# Altium PCB 28Pins_Project_V1[1_PCB..PcbDoc (part 1 of 2)
Units mm, origin at the board's own origin, x right, y up, seen from the top; angles counter-clockwise.
Board outline 71.12 x 53.34 mm, 2 copper layers (L1, L2), stack 1.671 mm thick; 106 components, 71 nets, 323 pads, 106 vias.
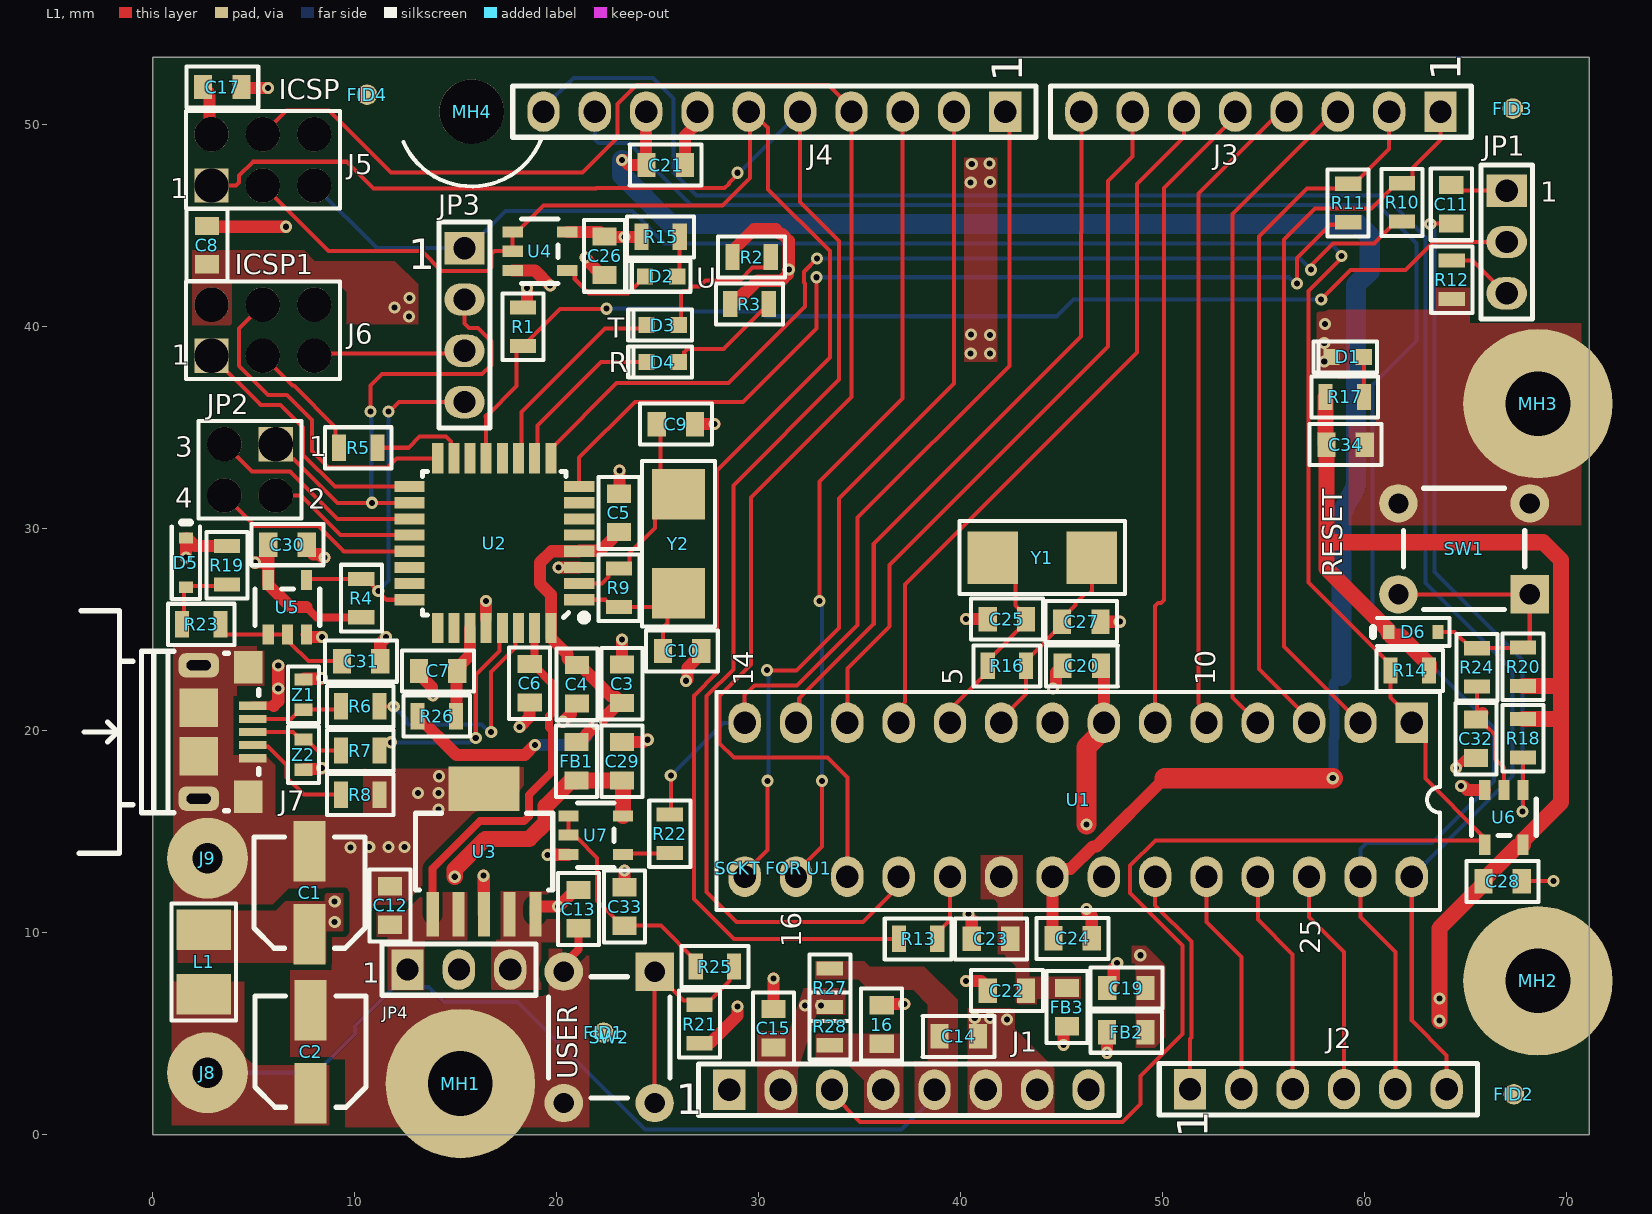
[diagram p0: L1 view]
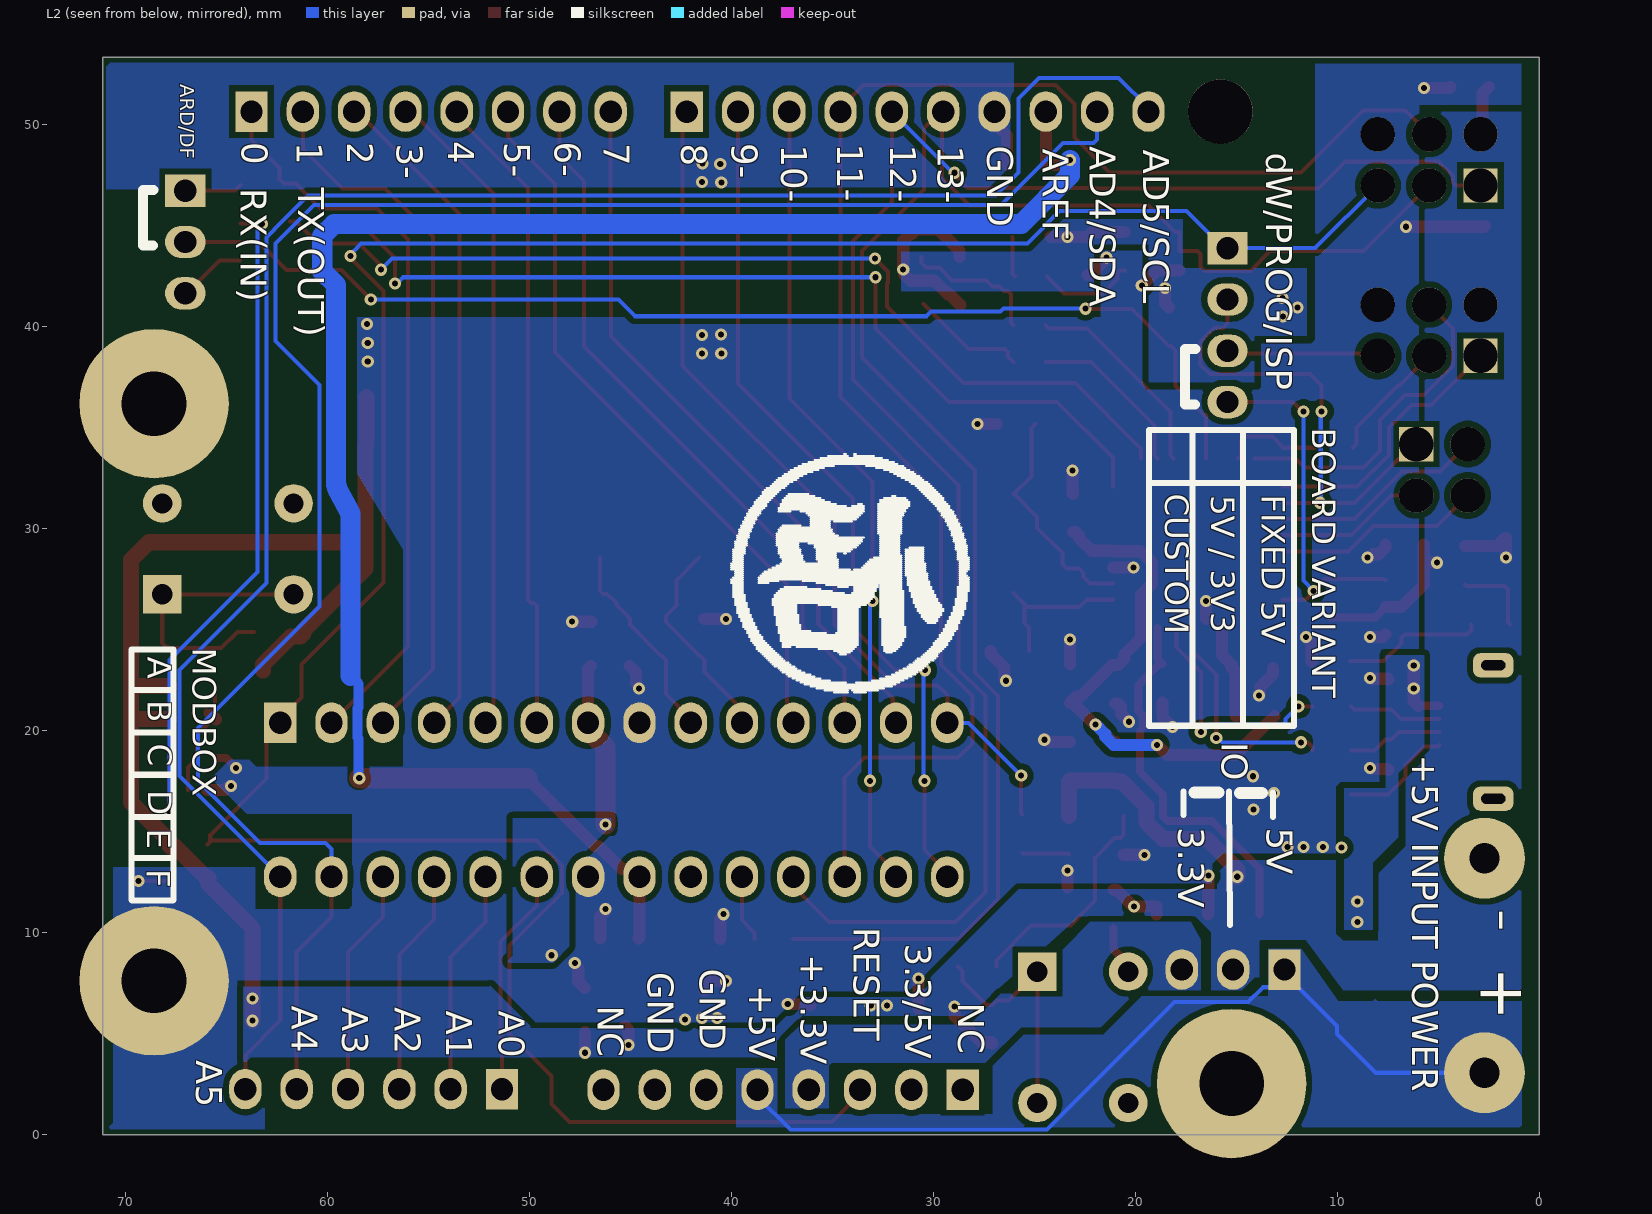
[diagram p1: L2 view, seen from below]

## Layer stack, top to bottom
Top Solder: solder mask 0.0102, Solder Resist, Dk 3.5
L1: signal copper 0.0356
Dielectric 1: dielectric 1.6, FR-4, Dk 4.8
L2: signal copper 0.0356
Bottom Solder: solder mask 0.0102, Solder Resist, Dk 3.5

## Board outline
0,0 71.12,0 71.12,53.34 0,53.34

## Design rules (kind name [scope] priority, off if disabled: settings)
Clearance "Around Polygons" [IsRegion] p1: gap=0.3 ignorepadtopadclearanceinfootprint=FALSE
Clearance [All] p2: gap=0.2 ignorepadtopadclearanceinfootprint=FALSE
ComponentClearance "SW2 and F1D1" [InComponent('SW2') vs InComponent('FID1')] p1: gap=0 collisioncheckmode=3 verticalgap=0 showdistances=FALSE
ComponentClearance "Power Resistors" [InComponent('R27') vs InComponent('R28')] p2: gap=0 collisioncheckmode=3 verticalgap=0 showdistances=FALSE
ComponentClearance "MH4 to FID4 and J4" [InComponent('MH4') vs InComponent('FID4') or InComponent('J4')] p3: gap=0 collisioncheckmode=3 verticalgap=0 showdistances=FALSE
ComponentClearance "DIP SOCKET to MH2 and U1" [InComponent('SCKT FOR U1') vs InComponent('MH2') or InComponent('U1')] p4: gap=0 collisioncheckmode=3 verticalgap=0 showdistances=FALSE
ComponentClearance "MH2 to J2" [InComponent('MH2') vs InComponent('J2')] p5: gap=0 collisioncheckmode=3 verticalgap=0 showdistances=FALSE
ComponentClearance [All] p6: gap=0.2 collisioncheckmode=3 verticalgap=0.2 showdistances=FALSE
HoleSize [All] p1: absolutevalues=TRUE maxlimit=10 minlimit=0.2 maxpercent=80.000 minpercent=20.000
HoleToHoleClearance [All] p1: gap=0.3 allowstackedmicrovias=TRUE
MinimumSolderMaskSliver [All] p1: minsoldermaskwidth=0.1
PolygonConnect [All] p1: connectstyle=Direct reliefconductorwidth=0.254 reliefentries=4 polygonreliefangle="90 Angle" airgapwidth=0.254
RoutingVias [All] p1: holewidth=0.3 width=0.6 viastyle="Through Hole" minholewidth=0.3 minwidth=0.6 maxholewidth=0.3 maxwidth=0.6
SilkToSilkClearance [All] p1: silktosilkclearance=0.1
SilkToSolderMaskClearance [IsPad] p1: minsilkscreentomaskgap=0.1 clearancetoexposedcopper=TRUE
SolderMaskExpansion [All] p1: expansion=0.1 istentingtop=FALSE
Width [All] p1: maxlimit=1 minlimit=0.2 preferedwidth=0.254
Width +5V/3V8_16U2 [InNet('+5V/3V3_16U2')] p2: maxlimit=0.6 minlimit=0.3 preferedwidth=0.6 checkconnectedcopper=TRUE
Width "Width POWERS" [InNet('+5V_USB') or InNet('GND')] p3: maxlimit=4 minlimit=0.4 preferedwidth=0.4
24 further rules are at their usual default settings.

## Components (designator, comment, footprint, x,y, rotation, side; value= is the part's Value field where it differs from the comment)
16 "100n" C0805 36.093,5.461 r90 top
C1 "100u / 10V" C_ALU_C_SIZE 7.772,11.989 r90 top
C2 "100u / 10V" C_ALU_C_SIZE 7.823,4.115 r90 top
C3 "10uF / 16V" C0805 23.241,22.327 r90 top
C4 "100n" C0805 21.006,22.301 r270 top
C5 "100n" C0805 23.089,30.785 r90 top
C6 "100n" C0805 18.669,22.352 r270 top
C7 "1uF / 25V" C0805 14.133,22.962 r0 top
C8 "100n" C0805 2.692,44.044 r90 top
C9 "18p" C0805 25.908,35.179 r180 top
C10 "18p" C0805 26.213,23.952 r180 top
C11 "100n" C0805 64.287,46.06 r270 top
C12 "10uF / 16V" C0805 11.76,11.354 r90 top
C13 "10uF / 16V" C0805 21.082,11.176 r270 top
C14 "100n" C0805 39.903,4.877 r0 top
C15 "100n" C0805 30.734,5.273 r90 top
C17 "100n" C0805 3.454,51.867 r0 top
C19 "10uF / 16V" C0805 48.209,7.264 r180 top
C20 "100n" C0805 45.999,23.216 r180 top
C21 "10uF / 16V" C0805 25.4,48.006 r0 top
C22 "10uF / 16V" C0805 42.291,7.137 r180 top
C23 "100n" C0805 41.504,9.703 r180 top
C24 "100n" C0805 45.542,9.728 r0 top
C25 "18p" C0805 42.291,25.527 r0 top
C26 "100n" C0805 22.377,43.51 r270 top
C27 "18p" C0805 45.974,25.4 r180 top
C28 "100n" C0805 66.827,12.548 r0 top
C29 "100n" C0805 23.241,18.491 r90 top
C30 "100n" C0805 6.68,29.21 r0 top
C31 "100n" C0805 10.323,23.444 r0 top
C32 "100n" C0805 65.507,19.609 r270 top
C33 "100n" C0805 23.368,11.303 r90 top
C34 "10uF / 16V" C0805 59.055,34.163 r0 top
D1 "Green" LED_0603 59.157,38.506 r0 top
D2 "Orange" LED_0603 25.171,42.494 r0 top
D3 "Orange" LED_0603 25.248,40.081 r0 top
D4 "Orange" LED_0603 25.248,38.252 r0 top
D5 "BAT54HT1G" SOD323 1.651,28.321 r270 top
D6 "BAT54HT1G" SOD323 62.408,24.892 r0 top
FB1 "MPZ2012S601AT000" C0805 20.98,18.491 r90 top
FB2 "MPZ2012S601AT000" C0805 48.199,5.08 r0 top
FB3 "MPZ2012S601AT000" C0805 45.263,6.325 r90 top
FID1 "FID_1MMC" FID_40X120D 22.327,5.055 r0 top
FID2 "FID_1MMC" FID_40X120D 67.386,2.007 r90 top
FID3 "FID_1MMC" FID_40X120D 67.335,50.8 r90 top
FID4 "FID_1MMC" FID_40X120D 10.617,51.486 r90 top
J1 "HDR FMALE 1x8 2.54mm" HDR_FMALE_1X8_2.54MM 28.55,2.235 r90 top
J2 "HDR FMALE 1x6 2.54 mm" HDR_FMALE_1X6_2.54MM 51.359,2.261 r90 top locked
J3 "HDR FMALE 1x8 2.54mm" HDR_FMALE_1X8_2.54MM 63.754,50.648 r270 top
J4 "HDR FMALE 1x10 2.54mm" HDR_FMALE_1X10_2.54_MM 42.215,50.648 r270 top locked
J5 "HDR 2x3" HDR_2X3_2.54MM 5.461,48.26 r90 top locked
J6 "HDR 2x3" HDR_2X3_2.54MM 5.461,39.827 r90 top
J7 "10118193-0001LF" 10118193 3.624,19.941 r270 top
J8 "4MMx1.5MM" PAD_WITH_HOLE_4MMX1.5MM 2.718,3.073 r0 top
J9 "4MMx1.5MM" PAD_WITH_HOLE_4MMX1.5MM 2.718,13.691 r0 top
JP1 "HDR 1x3" HDR_1X3_2.54MM 67.031,46.736 r0 top
JP2 "HDR 2x2" HDR_2X2_2.54MM 6.096,34.188 r270 top
JP3 "HDR 1x4" HDR_1X4_2.54MM 15.443,43.891 r0 top
JP4 "HDR 1x3" HDR_1X3_2.54MM 12.624,8.179 r90 top locked
L1 "2u2 / 2A" C1210_1ND 2.54,8.56 r270 top
MH1 "MH_7.4MMC_3.2MMD" MH_7.4MMC_3.2MMD 15.24,2.54 r0 top
MH2 "MH_7.4MMC_3.2MMD" MH_7.4MMC_3.2MMD 68.58,7.62 r0 top
MH3 "MH_7.4MMC_3.2MMD" MH_7.4MMC_3.2MMD 68.58,36.195 r0 top
MH4 "MH_7.4MMNC_3.2MMD" MH_7.4MMD_3.2MMD_NON_COPPER_NPTH 15.799,50.648 r0 top
R1 "100K" R0805 18.339,40.005 r90 top
R2 "560R" R0805 29.65,43.45 r0 top
R3 "560R" R0805 29.55,41.125 r0 top
R4 "10k" R0805 10.338,26.568 r270 top
R5 "22R" R0805 10.185,34.011 r180 top
R6 "22R" R0805 10.287,21.209 r0 top
R7 "22R" R0805 10.287,19.025 r0 top
R8 "0R" R0805 10.287,16.84 r0 top
R9 "1M" R0805 23.089,27.076 r90 top
R10 "1k" R0805 61.849,46.152 r90 top
R11 "1k" R0805 59.182,46.126 r90 top
R12 "1k" R0805 64.313,42.332 r90 top
R13 "22R" R0805 37.897,9.703 r180 top
R14 "10k" R0805 62.23,22.987 r0 top
R15 "560R" R0805 25.146,44.45 r180 top
R16 "1M" R0805 42.291,23.216 r180 top
R17 "560R" R0805 59.019,36.525 r180 top
R18 "10k" R0805 67.843,19.634 r90 top
R19 "10k" R0805 3.683,28.194 r90 top
R20 "10k" R0805 67.843,23.165 r270 top
R21 "10k" R0805 27.076,5.486 r270 top locked
R22 "560R" R0805 25.603,14.91 r90 top
R23 "22R" R0805 2.413,25.273 r0 top
R24 "22R" R0805 65.557,23.139 r270 top
R25 "22R" R0805 27.838,8.331 r180 top
R26 "0R" R0805 14.072,20.726 r180 top
R27 "0R" R0805 33.528,7.28 r270 top
R28 "0R" R0805 33.528,5.385 r270 top
"SCKT FOR U1" "28-DIP Socket" 28_DIP_7.62MM_SOCKET 30.734,13.208 r90 top
SW1 "1825910-6" 1825910-6 64.922,29.007 r270 top
SW2 "1825910-6" 1825910-6 22.606,4.826 r0 top
U1 "ATMEGA328P-PU" 28_DIP_7.62MM 62.332,20.396 r270 top locked
U2 "ATMEGA16U2-AU" TQFP32 16.916,29.286 r180 top locked
U3 "TL1963A-33DCQR" "DCQ (R-PDSO-G6)" 16.408,14.021 r90 top
U4 "SN74AHC1G09DBVR" DBV_SDT_23_5 19.177,43.739 r0 top
U5 "SN74AHC1G09DBVR" DBV_SDT_23_5 6.68,26.111 r90 top
U6 "SN74AHC1G09DBVR" DBV_SDT_23_5 66.893,15.712 r270 top
U7 "SN74AHC1G09DBVR" DBV_SDT_23_5 21.946,14.834 r0 top
Y1 "ABM7-16.000MHZ-D2Y-T" ABM7_V1_1_BIG 44.044,28.575 r180 top
Y2 "ABM7-16.000MHZ-D2Y-T" ABM7_V1_1_BIG 26.035,29.261 r90 top
Z1 "CG0603MLC-05E" R0603 7.468,21.793 r270 top
Z2 "CG0603MLC-05E" R0603 7.468,18.821 r90 top

## Footprints (in the part's own frame and the unit in brackets; to place one, negate y for a bottom-side part, rotate by r counter-clockwise, add the part's x,y. Pads: shape width x height; smd on the part's side, far side on the other; paste and mask are expansions set on the pad)
28_DIP_7.62MM [mm]
  rect 2x1.6 hole 1.1: 1(0,0)
  oval 2x1.6 hole 1.1: 2(0,-2.54) 3(0,-5.08) 4(0,-7.62) 5(0,-10.16) 6(0,-12.7) 7(0,-15.24) 8(0,-17.78) 9(0,-20.32) 10(0,-22.86) 11(0,-25.4) 12(0,-27.94) 13(0,-30.48) 14(0,-33.02) 15(7.62,-33.02) 16(7.62,-30.48) 17(7.62,-27.94) 18(7.62,-25.4) 19(7.62,-22.86) 20(7.62,-20.32) 21(7.62,-17.78) 22(7.62,-15.24) 23(7.62,-12.7) 24(7.62,-10.16) 25(7.62,-7.62) 26(7.62,-5.08) 27(7.62,-2.54) 28(7.62,0)
  silkscreen extent -1.52,-34.42 9.27,1.4, body extent -0.13,-34.52 7.75,1.42, height 4.85
28_DIP_7.62MM_SOCKET [mm]
  body extent -1.74,-32.86 8.36,2.64, height 4.2
1825910-6 [mm]
  rect 1.9x1.9 hole 1: 1(2.25,3.25)
  round 1.9 hole 1: 2(2.25,-3.25) 3(-2.25,3.25) 4(-2.25,-3.25)
  silkscreen extent -3,-3 3,3, body extent -3,-4 2.99,3.8, height 5.01
10118193 [mm]
  rect 0.4x1.35 smd mask+0.05: 1(-1.3,1.338) 2(-0.65,1.338) 3(0,1.338) 4(0.65,1.338) 5(1.3,1.338)
  rect 1.6x1.4 smd: 6(-3.2,1.112) 7(3.2,1.112)
  rrect60% 1.2x2 hole 0.5 slot 1.2 at 90 deg: 8(-3.3,-1.338) 9(3.3,-1.338)
  rect 1.9x1.9 smd: 10(-1.2,-1.338) 11(1.2,-1.338)
  silkscreen extent -6,-7.25 6,1.64, body extent -3.93,-4.1 3.92,1.56, height 2.87
ABM7_V1_1_BIG [mm]
  rect 2.5x2.6 smd: 1(-2.45,0) 2(2.45,0)
  silkscreen extent -4.1,-1.8 4.1,1.8, body extent -3,-1.7 3,1.81, height 1.45
C0805 [mm]
  rect 0.9x1.2 smd: 1(-0.95,0) 2(0.95,0)
  silkscreen extent -1.78,-1.02 1.78,1.02, body extent -1,-0.48 1,0.48, height 1.71
C1210_1ND [mm]
  rect 2x2.7 smd: 1(-1.6,0) 2(1.6,0)
  silkscreen extent -2.9,-1.6 2.9,1.6, body extent -1.7,-1.25 1.7,1.25, height 2.7
C_ALU_C_SIZE [mm]
  rect 3x1.6 smd: 1(-2.05,0) 2(2.05,0)
  silkscreen extent -2.75,-2.75 2.75,2.75, body extent -2.95,-2.65 2.95,2.65, height 5.41
DBV_SDT_23_5 [mm]
  rect 1x0.55 smd: 1(-1.35,0.95) 2(-1.35,0) 3(-1.35,-0.95) 4(1.35,-0.95) 5(1.35,0.95)
  silkscreen extent -0.9,-1.6 0.9,1.6, body extent -1.56,-1.53 1.46,1.52, height 1.62
"DCQ (R-PDSO-G6)" [mm]
  rect 2.2x0.6 smd: 1(-3.1,2.54) 2(-3.1,1.27) 3(-3.1,0) 4(-3.1,-1.27) 5(-3.1,-2.54)
  rect 2.2x3.5 smd: 6(3.1,0)
  silkscreen extent -1.9,-3.4 1.9,3.4, body extent -3.63,-3.28 3.63,3.27, height 1.8
FID_40X120D [mil]
  round 40 smd paste-1574.8 mask+40: 1(0,0)
HDR_1X3_2.54MM [mm]
  rect 2x1.6 hole 1.1: 1(0,0)
  oval 2x1.6 hole 1.1: 2(0,-2.54) 3(0,-5.08)
  silkscreen extent -1.27,-6.35 1.27,1.27, body extent -1.21,-6.14 1.2,1.09, height 8.39
HDR_1X4_2.54MM [mm]
  rect 2x1.6 hole 1.1: 1(0,0)
  oval 2x1.6 hole 1.1: 2(0,-2.54) 3(0,-5.08) 4(0,-7.62)
  silkscreen extent -1.27,-8.9 1.27,1.3, body extent -1.25,-8.7 1.16,1.06, height 5.67
HDR_2X2_2.54MM [mm]
  rect 1.7x1.7 hole 1.7: 1(0,0)
  round 1.7 hole 1.7: 2(2.54,0) 4(2.54,-2.54)
  round 1.7 hole 1.7 mask+0.1: 3(0,-2.54)
  silkscreen extent -1.14,-3.81 3.68,1.27, body extent -1.27,-3.77 3.81,1.23, height 8.01
HDR_2X3_2.54MM [mm]
  rect 1.7x1.7 hole 1.7: 1(-1.27,2.54)
  round 1.7 hole 1.7: 2(1.27,2.54) 3(-1.27,0) 4(1.27,0) 5(-1.27,-2.54) 6(1.27,-2.54)
  silkscreen extent -2.41,-3.81 2.41,3.81, body extent -2.5,-3.81 2.5,3.81, height 8.05
HDR_FMALE_1X6_2.54MM [mm]
  rect 2x1.6 hole 1.1: 1(0,0)
  oval 2x1.6 hole 1.1: 2(0,-2.54) 3(0,-5.08) 4(0,-7.62) 5(0,-10.16) 6(0,-12.7)
  silkscreen extent -1.27,-14.22 1.27,1.52, body extent -1.27,-14.17 1.23,1.47, height 8.64
HDR_FMALE_1X8_2.54MM [mm]
  rect 2x1.6 hole 1.1: 1(0,0)
  oval 2x1.6 hole 1.1: 2(0,-2.54) 3(0,-5.08) 4(0,-7.62) 5(0,-10.16) 6(0,-12.7) 7(0,-15.24) 8(0,-17.78)
  silkscreen extent -1.27,-19.3 1.27,1.52, body extent -1.27,-19.25 1.23,1.47, height 8.64
HDR_FMALE_1X10_2.54_MM [mm]
  rect 2x1.6 hole 1.1: 1(0,0)
  oval 2x1.6 hole 1.1: 2(0,-2.54) 3(0,-5.08) 4(0,-7.62) 5(0,-10.16) 6(0,-12.7) 7(0,-15.24) 8(0,-17.78) 9(0,-20.32) 10(0,-22.86)
  silkscreen extent -1.27,-24.38 1.27,1.52, body extent -1.23,-24.33 1.27,1.47, height 8.64
LED_0603 [mm]
  rect 0.8x0.8 smd: 1(-0.8,0) 2(0.8,0)
  silkscreen extent -1.7,-0.76 1.45,0.76, body extent -0.88,-0.38 0.82,0.42, height 0.65
MH_7.4MMC_3.2MMD [mm]
  round 7.4 hole 3.2: 1(0,0)
MH_7.4MMD_3.2MMD_NON_COPPER_NPTH [mm]
  round 3.2 hole 3.2: 1(0,0)
  silkscreen extent -3.39,-3.7 3.43,-1.39
PAD_WITH_HOLE_4MMX1.5MM [mm]
  round 4 hole 1.5: 1(0,0)
R0603 [mm]
  rect 0.6x0.9 smd: 1(-0.75,0) 2(0.75,0)
  silkscreen extent -1.4,-0.76 1.4,0.76, body extent -0.78,-0.4 0.82,0.4, height 0.85
R0805 [mm]
  rect 0.7x1.3 smd: 1(-0.95,0) 2(0.95,0)
  silkscreen extent -1.65,-1.02 1.65,1.02, body extent -1,-0.6 1,0.6, height 0.7
SOD323 [mil]
  rect 22x27 smd: 1(-48,0) 2(48,0)
  silkscreen extent -79,-28 71,28, body extent -49,-24 49,26, height 39
TQFP32 [mm]
  rect 1.5x0.55 smd mask+0.06: 1(-4.2,2.8) 2(-4.2,2) 3(-4.2,1.2) 4(-4.2,0.4) 5(-4.2,-0.4) 6(-4.2,-1.2) 7(-4.2,-2) 8(-4.2,-2.8) 17(4.2,-2.8) 18(4.2,-2) 19(4.2,-1.2) 20(4.2,-0.4) 21(4.2,0.4) 22(4.2,1.2) 23(4.2,2) 24(4.2,2.8)
  rect 0.55x1.5 smd mask+0.06: 9(-2.8,-4.2) 10(-2,-4.2) 11(-1.2,-4.2) 12(-0.4,-4.2) 13(0.4,-4.2) 14(1.2,-4.2) 15(2,-4.2) 16(2.8,-4.2) 25(2.8,4.2) 26(2,4.2) 27(1.2,4.2) 28(0.4,4.2) 29(-0.4,4.2) 30(-1.2,4.2) 31(-2,4.2) 32(-2.8,4.2)
  silkscreen extent -4.54,-3.56 3.56,3.78, body extent -4.57,-4.6 4.63,4.6, height 1.2

## Part data
16 C4 C5 C6 C8 C11 C14 C15 C17 C20 C23 C24 C26 C28 C29 C30 C31 C32 C33: library part C2012X7R1H104K085AA, "TDK - C2012X7R1H104K085AA - SMD Multilayer Ceramic Capacitor, 0.1 µF, 50 V, 0805 [2012 Metric], ± 10%, X7R, C Series", Capacitance=100nF, Case Code (Imperial)=0805, Case Code (Metric)=2012, Dielectric=X7R, Dielectric Material=Ceramic, Manufacturer=TDK, Max Operating Temperature=125°C, Min Operating Temperature=-55°C, Package Quantity=1, Supplier Part Number 1=445-7534-1-ND, Tolerance=10%, Voltage=50V, Case/Package=0805, Category="Ceramic Capacitors", ComponentLink1Description=https://datasheet.ciiva.com/11788/0900766b80c1bb00-11788128.pdf?src-supplier=RSComponents, ComponentLink1URL=https://datasheet.ciiva.com/11788/0900766b80c1bb00-11788128.pdf?src-supplier=RSComponents, ComponentLink2Description=https://datasheet.ciiva.com/6250/tdkmlcccaprange-6250821.pdf?src-supplier=Digi-Key, ComponentLink2URL=https://datasheet.ciiva.com/6250/tdkmlcccaprange-6250821.pdf?src-supplier=Digi-Key, ComponentLink3Description=https://datasheet.ciiva.com/6250/tdkmlcccaprange-6250824.pdf?src-supplier=Digi-Key, ComponentLink3URL=https://datasheet.ciiva.com/6250/tdkmlcccaprange-6250824.pdf?src-supplier=Digi-Key, ComponentLink4Description=https://datasheet.ciiva.com/24191/e412-c-24191447.pdf?src-supplier=Future+Electronics, ComponentLink4URL=https://datasheet.ciiva.com/24191/e412-c-24191447.pdf?src-supplier=Future+Electronics, ComponentLink5Description=https://datasheet.ciiva.com/23803/1796654-23803035.pdf?src-supplier=Newark, ComponentLink5URL=https://datasheet.ciiva.com/23803/1796654-23803035.pdf?src-supplier=Newark, ComponentLink6Description=https://datasheet.ciiva.com/28602/1571323-28602204.pdf?src-supplier=Element14, ComponentLink6URL=https://datasheet.ciiva.com/28602/1571323-28602204.pdf?src-supplier=Element14, Construction=Flat, Depth=1.25mm, Height=0.85mm, Lead Free="Lead Free", Length=2mm, Manufacturer Part Number=C2012X7R1H104K085AA, Mount="Surface Mount", Number of Pins=2, Packaging="Tape and Reel", Pricing 1="1=0.15000, 10=0.10900, 50=0.06160, 100=0.05100, 500=0.03578, 1000=0.02962 (USD)", Radiation Hardening=No, REACH SVHC="No SVHC", Resistor Type=Ceramic, RoHS=Yes, RoHS Compliant=Yes, Series=C, Stock 1=56960, Supplier 1=Digi-Key, Termination=SMD/SMT, Thickness=0.037inch, Voltage Rating=50V, Voltage Rating (DC)=50V, Weight=0.000194oz, Width=0.049inch
C1 C2: library part EEE-1AA101WR, "Cap Aluminum 100uF 10V 20% (5 X 5.4mm) SMD 50mA 1000 hr 85°C T/R", Capacitance=100uF, Case/Package=Radial, Manufacturer=Panasonic, Max Operating Temperature=85°C, Min Operating Temperature=-40°C, Package Quantity=1, Ripple Current=50mA, Supplier Part Number 1=PCE3867CT-ND, Tolerance=20%, Voltage Rating=10V, Category="Aluminum Electrolytic Capacitors", ComponentLink1Description=https://datasheet.ciiva.com/26945/getdatasheetpartid-169213-26945071.pdf?src-supplier=Verical, ComponentLink1URL=https://datasheet.ciiva.com/26945/getdatasheetpartid-169213-26945071.pdf?src-supplier=Verical, ComponentLink2Description=https://datasheet.ciiva.com/2983/aba0000ce2-2983906.pdf?src-supplier=Avnet, ComponentLink2URL=https://datasheet.ciiva.com/2983/aba0000ce2-2983906.pdf?src-supplier=Avnet, ComponentLink3Description=https://datasheet.ciiva.com/11673/aba0000ce2-11673882.pdf?src-supplier=Avnet, ComponentLink3URL=https://datasheet.ciiva.com/11673/aba0000ce2-11673882.pdf?src-supplier=Avnet, ComponentLink4Description=https://datasheet.ciiva.com/24027/aba0000ce2-40801-24027541.pdf?src-supplier=Mouser, ComponentLink4URL=https://datasheet.ciiva.com/24027/aba0000ce2-40801-24027541.pdf?src-supplier=Mouser, ComponentLink5Description=https://datasheet.ciiva.com/30075/11aba0000ce2-30075303.pdf?src-supplier=Onlinecomponents.com, ComponentLink5URL=https://datasheet.ciiva.com/30075/11aba0000ce2-30075303.pdf?src-supplier=Onlinecomponents.com, ComponentLink6Description=https://datasheet.ciiva.com/16427/aba0000ce2-16427544.pdf?src-supplier=Future+Electronics, ComponentLink6URL=https://datasheet.ciiva.com/16427/aba0000ce2-16427544.pdf?src-supplier=Future+Electronics, ComponentLink7Description=https://datasheet.ciiva.com/14598/70255710-14598233.pdf?src-supplier=Allied+Electronics, ComponentLink7URL=https://datasheet.ciiva.com/14598/70255710-14598233.pdf?src-supplier=Allied+Electronics, ComponentLink8Description=https://datasheet.ciiva.com/14605/70255710-14605689.pdf?src-supplier=Allied+Electronics, ComponentLink8URL=https://datasheet.ciiva.com/14605/70255710-14605689.pdf?src-supplier=Allied+Electronics, Construction=Cylindrical, Contact Plating=Tin, Diameter=5mm, Height=5.4mm, Height - Seated (Max)=0.213inch, Lead Free="Lead Free", Length=5.5mm, Life (Hours)=1000Hour, Manufacturer Part Number=EEE-1AA101WR, Mount="Surface Mount,PCB", Packaging="Tape and Reel", Pricing 1="1=0.39000, 10=0.26600, 50=0.17720, 100=0.15050, 500=0.10626 (USD)", Radiation Hardening=No, REACH SVHC=Unknown, Ripple Current (AC)=50mA, RoHS=Yes, RoHS Compliant=Yes, Series=S, Stock 1=152, Supplier 1=Digi-Key, Termination=SMD/SMT, Voltage Rating (DC)=10V
C3 C12 C13 C19 C21 C22 C34: library part C2012X5R1C106M125AC, "CERAMIC CAPACITOR, 10UF, 16V, X5R, 20%, 0805, FULL REEL; Product Range:C Series; Capacitance:10 F; Capacitance Tolerance: 20%; Dielectric Characteristic:X5R; Voltage Rating:16V; Ceramic Capacitor Case:0805 [2012 Metric]; MSL:- ;RoHS Compliant: Yes", Capacitance=10uF, Case Code (Imperial)=0805, Case Code (Metric)=2012, Dielectric=X5R, Dielectric Material=Ceramic, Manufacturer=TDK, Max Operating Temperature=85°C, Min Operating Temperature=-55°C, Package Quantity=1, Supplier Part Number 1=445-4115-1-ND, Tolerance=20%, Voltage Rating=16V, Case/Package=0805, Category="Ceramic Capacitors", ComponentLink1Description=https://datasheet.ciiva.com/6252/tdkmlcccaprange-6252105.pdf?src-supplier=Digi-Key, ComponentLink1URL=https://datasheet.ciiva.com/6252/tdkmlcccaprange-6252105.pdf?src-supplier=Digi-Key, ComponentLink2Description=https://datasheet.ciiva.com/6252/tdkmlcccaprange-6252108.pdf?src-supplier=Digi-Key, ComponentLink2URL=https://datasheet.ciiva.com/6252/tdkmlcccaprange-6252108.pdf?src-supplier=Digi-Key, ComponentLink3Description=https://datasheet.ciiva.com/6289/tdkmlcccaprange-6289238.pdf?src-supplier=Digi-Key, ComponentLink3URL=https://datasheet.ciiva.com/6289/tdkmlcccaprange-6289238.pdf?src-supplier=Digi-Key, ComponentLink4Description=https://datasheet.ciiva.com/22725/1913358-22725558.pdf?src-supplier=Element14, ComponentLink4URL=https://datasheet.ciiva.com/22725/1913358-22725558.pdf?src-supplier=Element14, ComponentLink5Description=https://datasheet.ciiva.com/23803/1796654-23803022.pdf?src-supplier=Newark, ComponentLink5URL=https://datasheet.ciiva.com/23803/1796654-23803022.pdf?src-supplier=Newark, Depth=1.25mm, Height=1.25mm, Lead Free="Lead Free", Length=0.079inch, Manufacturer Part Number=C2012X5R1C106M125AC, Mount="Surface Mount", Number of Pins=2, Packaging="Tape and Reel", REACH SVHC="No SVHC", Resistor Type=Ceramic, RoHS=Yes, RoHS Compliant=Yes, Series=C, Supplier 1=Digi-Key, Termination=SMD/SMT, Thickness=0.057inch, Voltage Rating (DC)=16V, Weight=0.000194oz, Width=0.049inch
C7: library part C2012X5R1E105K125AA, "TDK - C2012X5R1E105K125AA - SMD Multilayer Ceramic Capacitor, 1 µF, 25 V, 0805 [2012 Metric], ± 10%, X5R, C Series", Capacitance=1uF, Case Code (Imperial)=0805, Case Code (Metric)=2012, Dielectric=X5R, Dielectric Material=Ceramic, Manufacturer=TDK, Max Operating Temperature=85°C, Min Operating Temperature=-55°C, Package Quantity=2000, Supplier Part Number 1=445-1419-1-ND, Tolerance=10%, Voltage=25V, Case/Package=0805, Category="Ceramic Capacitors", ComponentLink1Description=https://datasheet.ciiva.com/11787/0900766b80c1bb00-11787608.pdf?src-supplier=RSComponents, ComponentLink1URL=https://datasheet.ciiva.com/11787/0900766b80c1bb00-11787608.pdf?src-supplier=RSComponents, ComponentLink2Description=https://datasheet.ciiva.com/28602/1744655-28602171.pdf?src-supplier=Element14, ComponentLink2URL=https://datasheet.ciiva.com/28602/1744655-28602171.pdf?src-supplier=Element14, ComponentLink3Description=https://datasheet.ciiva.com/15192/getdatasheetpartid-726707-15192140.pdf?src-supplier=Verical, ComponentLink3URL=https://datasheet.ciiva.com/15192/getdatasheetpartid-726707-15192140.pdf?src-supplier=Verical, ComponentLink4Description=https://datasheet.ciiva.com/16449/e412-c-16449595.pdf?src-supplier=Future+Electronics, ComponentLink4URL=https://datasheet.ciiva.com/16449/e412-c-16449595.pdf?src-supplier=Future+Electronics, Construction=Flat, Depth=1.25mm, Height=1.25mm, Lead Free="Lead Free", Length=2mm, Manufacturer Part Number=C2012X5R1E105K125AA, Mount="Surface Mount", Number of Pins=2, Packaging="Tape and Reel", Pricing 1="1=0,24000, 10=0,16600, 50=0,09940, 100=0,08390, 500=0,05740, 1000=0,05078 (USD)", Radiation Hardening=No, REACH SVHC="No SVHC", Resistor Type=Ceramic, RoHS=Yes, RoHS Compliant=Yes, Series=C, Stock 1=16436, Supplier 1=Digi-Key, Termination=SMD/SMT, Thickness=0.057inch, Voltage Rating=25V, Voltage Rating (DC)=25V, Weight=0.000194oz, Width=0.049inch
C9 C10 C25 C27: library part C0805C180J5GACTU, "CAP CER 18PF 50V C0G/NP0 0805", Capacitance=18pF, Case Code (Imperial)=0805, Case Code (Metric)=2012, Dielectric=C0G, Dielectric Material=Ceramic, Manufacturer=KEMET, Max Operating Temperature=125°C, Min Operating Temperature=-55°C, Package Quantity=1, Supplier Part Number 1=399-1112-1-ND, Temperature Coefficient=30ppm/°C, Tolerance=5%, Voltage=50V, Case/Package=0805, Category="Ceramic Capacitors", ComponentLink1Description=https://datasheet.ciiva.com/22746/1769375-22746770.pdf?src-supplier=Element14, ComponentLink1URL=https://datasheet.ciiva.com/22746/1769375-22746770.pdf?src-supplier=Element14, ComponentLink2Description=https://datasheet.ciiva.com/26923/getdatasheetpartid-759702-26923980.pdf?src-supplier=Verical, ComponentLink2URL=https://datasheet.ciiva.com/26923/getdatasheetpartid-759702-26923980.pdf?src-supplier=Verical, ComponentLink3Description=https://datasheet.ciiva.com/26847/getdatasheetpartid-385668-26847862.pdf?src-supplier=Verical, ComponentLink3URL=https://datasheet.ciiva.com/26847/getdatasheetpartid-385668-26847862.pdf?src-supplier=Verical, Construction=Flat, Contact Material=Tin, Contact Plating=Tin,Matte, Depth=1.25mm, Dissipation Factor=0.1%, Height=0.78mm, Lead Free="Lead Free", Lead Pitch=0.75mm, Length=2mm, Manufacturer Part Number=C0805C180J5GACTU, Mount="Surface Mount,PCB", Number of Pins=2, Packaging="Tape and Reel", Pricing 1="1=0.13000, 10=0.09000, 50=0.05140, 100=0.04250, 500=0.02982, 1000=0.02468 (USD)", Radiation Hardening=No, REACH SVHC="No SVHC", RoHS=Yes, RoHS Compliant=Yes, Series=C, Stock 1=27205, Supplier 1=Digi-Key, Termination=SMD/SMT, Thickness=0.035inch, Voltage Rating=50V, Voltage Rating (DC)=50V, Width=1.2mm